# Altium PCB CHAHARDOLI-7 ADAD METAL.PcbDoc (part 6 of 11) (continued)
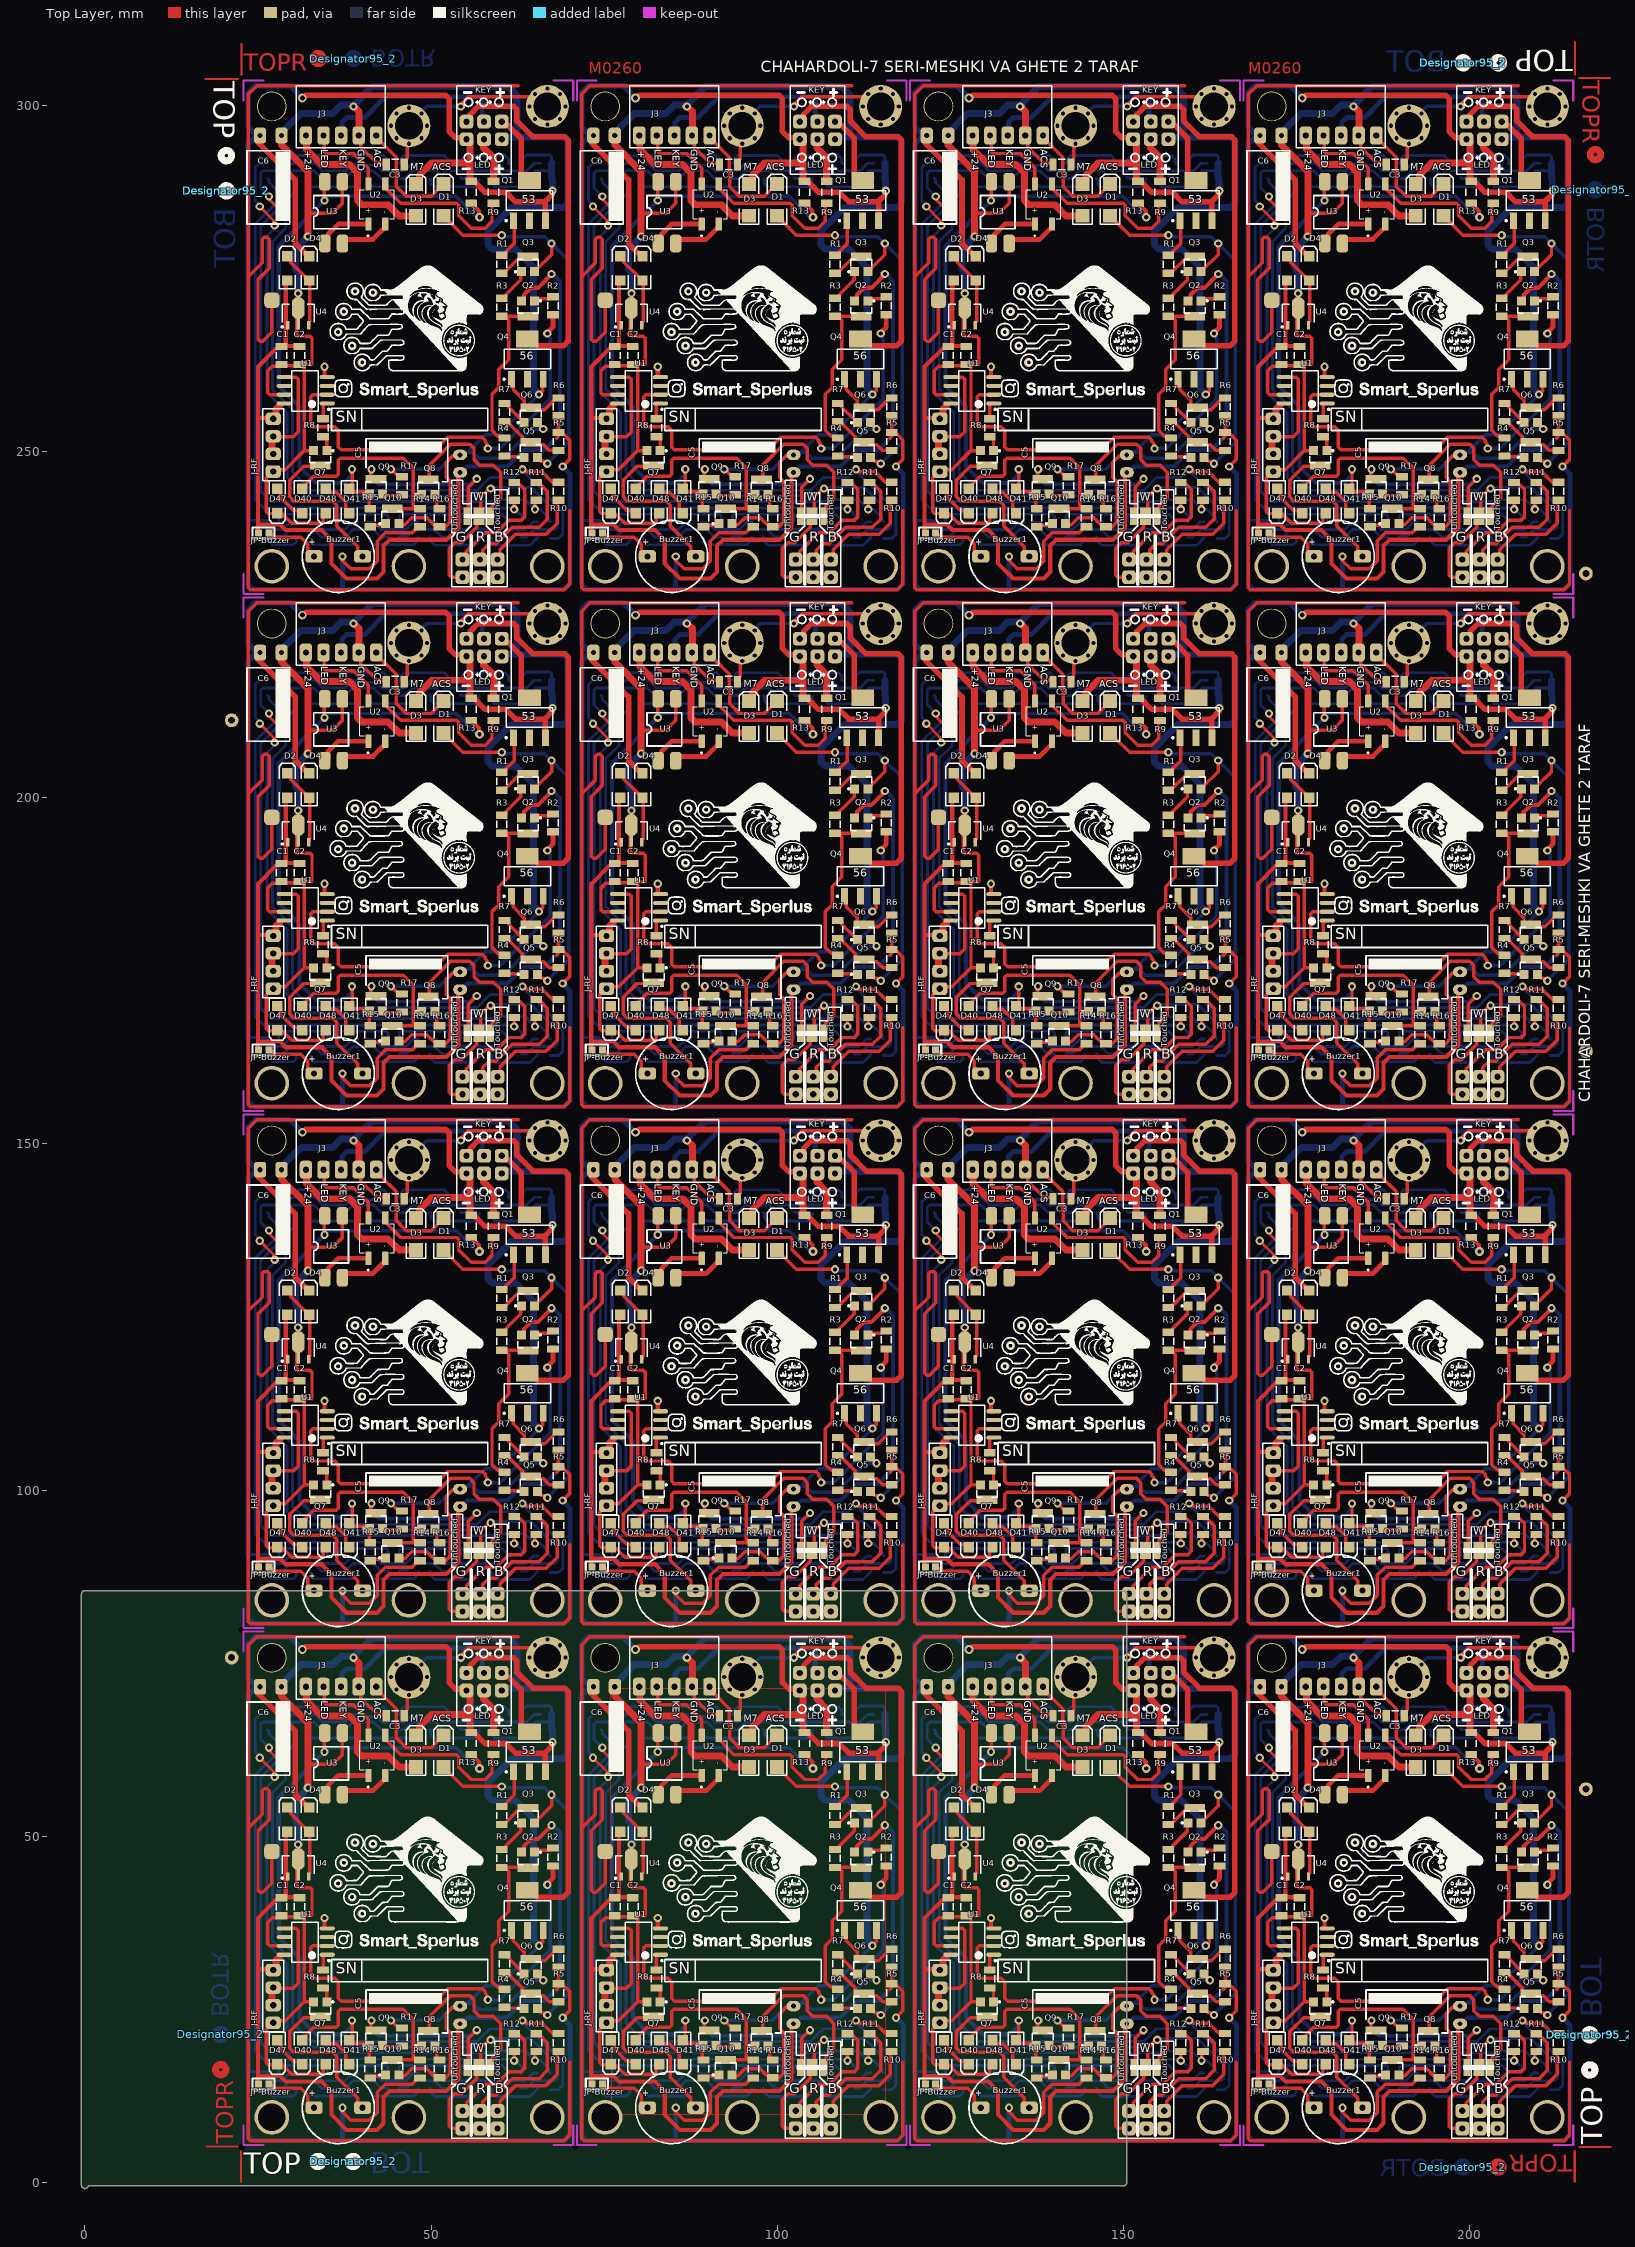
[diagram p0: Top Layer view]
## Nets (pads, with @x,y where several pads share a name; then routed paths per layer and width w, separated by ;. In a path a pad name is that pad's centre, name@x,y a point inside that pad or via, vN(x,y) a via of type N, cw(c..) or ccw(c..) an arc to the next point about the centre after c; other vN are vias at no path point) (continued)
 75.145,122.488 ; 71.745,200.576 73.745,202.576 73.745,205.976 74.038,206.269 74.452,206.269 74.745,205.976 74.745,204.776 74.745,201.776 73.145,200.176 73.145,191.576 73.438,191.283 73.852,191.283 75.145,192.576 75.145,197.176 ; 71.745,275.264 73.745,277.264 73.745,280.664 74.038,280.957 74.452,280.957 74.745,280.664 74.745,279.464 74.745,276.464 73.145,274.864 73.145,266.264 73.438,265.971 73.852,265.971 75.145,267.264 75.145,271.864 ; 75.145,14 75.545,13.6 79.345,13.6 80.345,12.6 80.345,11.743 80.369,11.719 80.369,11.435 81.003,10.8 81.245,10.8 ; 75.145,88.688 75.545,88.288 79.345,88.288 80.345,87.288 80.345,86.431 80.369,86.408 80.369,86.123 81.003,85.488 81.245,85.488 ; 75.145,163.376 75.545,162.976 79.345,162.976 80.345,161.976 80.345,161.119 80.369,161.096 80.369,160.811 81.003,160.176 81.245,160.176 ; 75.145,238.064 75.545,237.664 79.345,237.664 80.345,236.664 80.345,235.807 80.369,235.784 80.369,235.499 81.003,234.864 81.245,234.864 ; 75.345,28.08 78.225,28.08 78.945,28.8 78.945,36.393 78.652,36.686 76.972,36.686 ; 75.345,102.768 78.225,102.768 78.945,103.488 78.945,111.081 78.652,111.374 76.972,111.374 ; 75.345,177.456 78.225,177.456 78.945,178.176 78.945,185.769 78.652,186.062 76.972,186.062 ; 75.345,252.144 78.225,252.144 78.945,252.864 78.945,260.457 78.652,260.75 76.972,260.75 ; 75.945,20.55 76.445,20.05 76.445,19.3 78.34,17.405 79.19,17.405 79.545,17.05 ; 75.945,95.238 76.445,94.738 76.445,93.988 78.34,92.093 79.19,92.093 79.545,91.738 ; 75.945,169.926 76.445,169.426 76.445,168.676 78.34,166.782 79.19,166.782 79.545,166.426 ; 75.945,244.614 76.445,244.114 76.445,243.364 78.34,241.47 79.19,241.47 79.545,241.114 ; 76.42,16.925 76.345,17 74.638,17 74.345,17.293 74.345,22.152 75.522,23.329 77.074,23.329 79.845,26.1 ; 76.42,91.613 76.345,91.688 74.638,91.688 74.345,91.981 74.345,96.84 75.522,98.017 77.074,98.017 79.845,100.788 ; 76.42,166.301 76.345,166.376 74.638,166.376 74.345,166.669 74.345,171.528 75.522,172.705 77.074,172.705 79.845,175.476 ; 76.42,240.989 76.345,241.064 74.638,241.064 74.345,241.357 74.345,246.216 75.522,247.393 77.074,247.393 79.845,250.164 ; 76.545,17.05 77.995,15.6 82.249,15.6 82.542,15.893 82.542,16.777 82.945,17.181 ; 76.545,91.738 77.995,90.288 82.249,90.288 82.542,90.581 82.542,91.465 82.945,91.869 ; 76.545,166.426 77.995,164.976 82.249,164.976 82.542,165.269 82.542,166.154 82.945,166.557 ; 76.545,241.114 77.995,239.664 82.249,239.664 82.542,239.957 82.542,240.842 82.945,241.245 ; 77.091,38.309 76.87,38.53 76.545,38.53 76.27,38.255 75.2,38.255 74.545,37.6 74.545,34.458 74.838,34.165 77.511,34.165 ; 77.091,112.997 76.87,113.218 76.545,113.218 76.27,112.943 75.2,112.943 74.545,112.288 74.545,109.146 74.838,108.853 77.51,108.853 ; 77.091,187.685 76.87,187.906 76.545,187.906 76.27,187.631 75.2,187.631 74.545,186.976 74.545,183.834 74.838,183.541 77.51,183.541 ; 77.091,262.373 76.87,262.594 76.545,262.594 76.27,262.319 75.2,262.319 74.545,261.664 74.545,258.522 74.838,258.229 77.51,258.229 ; 77.145,38.362 79.145,38.362 ; 77.145,113.051 79.145,113.051 ; 77.145,187.739 79.145,187.739 ; 77.145,262.427 79.145,262.427 ; 77.345,54.15 77.845,53.65 77.845,53.3 80.045,51.1 80.045,51.15 80.545,50.65 ; 77.345,128.838 77.845,128.338 77.845,127.988 80.045,125.788 80.045,125.838 80.545,125.338 ; 77.345,203.526 77.845,203.026 77.845,202.676 80.045,200.476 80.045,200.526 80.545,200.026 ; 77.345,278.214 77.845,277.714 77.845,277.364 80.045,275.164 80.045,275.214 80.545,274.714 ; 78.745,46.7 78.745,42.893 79.038,42.6 80.652,42.6 80.945,42.307 80.945,38.53 79.845,38.53 ; 78.745,121.388 78.745,117.581 79.038,117.288 80.652,117.288 80.945,116.995 80.945,113.218 79.845,113.218 ; 78.745,196.076 78.745,192.269 79.038,191.976 80.652,191.976 80.945,191.683 80.945,187.906 79.845,187.906 ; 78.745,270.764 78.745,266.957 79.038,266.664 80.652,266.664 80.945,266.371 80.945,262.594 79.845,262.594 ; 78.945,121.388 v1(78.945,123.488) ; 78.945,196.076 v1(78.945,198.176) ; 78.945,270.764 v1(78.945,272.864) ; 78.945,46.7 v1(78.945,48.8) ; 79.145,38.53 79.845,38.53 ; 79.145,113.218 79.845,113.218 ; 79.145,187.906 79.845,187.906 ; 79.145,262.594 79.845,262.594 ; 79.545,20.55 80.045,21.05 80.045,21.25 81.195,22.4 84.452,22.4 84.745,22.693 84.745,24.707 85.038,25 94.145,25 95.545,23.6 95.545,19.8 ; 79.545,95.238 80.045,95.738 80.045,95.938 81.195,97.088 84.452,97.088 84.745,97.381 84.745,99.395 85.038,99.688 94.145,99.688 95.545,98.288 95.545,94.488 ; 79.545,169.926 80.045,170.426 80.045,170.626 81.195,171.776 84.452,171.776 84.745,172.069 84.745,174.083 85.038,174.376 94.145,174.376 95.545,172.976 95.545,169.176 ; 79.545,244.614 80.045,245.114 80.045,245.314 81.195,246.464 84.452,246.464 84.745,246.757 84.745,248.771 85.038,249.064 94.145,249.064 95.545,247.664 95.545,243.864 ; 80.345,60.4 83.945,60.4 85.345,61.8 85.345,64.92 ; 80.345,135.088 83.945,135.088 85.345,136.488 85.345,139.608 ; 80.345,209.776 83.945,209.776 85.345,211.176 85.345,214.296 ; 80.345,284.464 83.945,284.464 85.345,285.864 85.345,288.984 ; 80.445,44.2 80.445,44.55 80.642,44.746 80.642,50.154 80.545,50.25 ; 80.445,118.888 80.445,119.238 80.642,119.435 80.642,124.842 80.545,124.938 ; 80.445,193.576 80.445,193.926 80.642,194.123 80.642,199.53 80.545,199.626 ; 80.445,268.264 80.445,268.614 80.642,268.811 80.642,274.218 80.545,274.314 ; 81.195,26.075 79.845,26.075 79.845,38.53 ; 81.195,100.763 79.845,100.763 79.845,113.218 ; 81.195,175.451 79.845,175.451 79.845,187.906 ; 81.195,250.139 79.845,250.139 79.845,262.594 ; 82.145,23.8 79.745,23.8 77.745,21.8 77.745,19.4 78.345,18.8 83.945,18.8 84.545,18.2 84.545,15.2 87.545,12.2 87.545,11.435 88.18,10.8 88.245,10.8 ; 82.145,98.488 79.745,98.488 77.745,96.488 77.745,94.088 78.345,93.488 83.945,93.488 84.545,92.888 84.545,89.888 87.545,86.888 87.545,86.123 88.18,85.488 88.245,85.488 ; 82.145,173.176 79.745,173.176 77.745,171.176 77.745,168.776 78.345,168.176 83.945,168.176 84.545,167.576 84.545,164.576 87.545,161.576 87.545,160.811 88.18,160.176 88.245,160.176 ; 82.145,247.864 79.745,247.864 77.745,245.864 77.745,243.464 78.345,242.864 83.945,242.864 84.545,242.264 84.545,239.264 87.545,236.264 87.545,235.499 88.18,234.864 88.245,234.864 ; 82.545,28.099 82.82,28.099 83.095,27.824 83.095,26.075 ; 82.545,30.695 82.545,32.849 82.591,32.895 83.145,32.895 ; 82.545,102.788 82.82,102.788 83.095,102.513 83.095,100.763 ; 82.545,105.384 82.545,107.537 82.591,107.583 83.145,107.583 ; 82.545,177.476 82.82,177.476 83.095,177.201 83.095,175.451 ; 82.545,180.072 82.545,182.225 82.591,182.271 83.145,182.271 ; 82.545,252.164 82.82,252.164 83.095,251.889 83.095,250.139 ; 82.545,254.76 82.545,256.913 82.591,256.959 83.145,256.959 ; 82.605,71.6 82.745,71.46 82.745,69.293 83.038,69 86.945,69 89.081,66.864 89.081,64.331 ; 82.605,146.288 82.745,146.148 82.745,143.981 83.038,143.688 86.945,143.688 89.081,141.553 89.081,139.02 ; 82.605,220.976 82.745,220.836 82.745,218.669 83.038,218.376 86.945,218.376 89.081,216.241 89.081,213.708 ; 82.605,295.664 82.745,295.524 82.745,293.357 83.038,293.064 86.945,293.064 89.081,290.929 89.081,288.396 ; 82.645,20.05 84.426,20.05 85.845,18.631 85.845,17.55 86.345,17.05 ; 82.645,94.738 84.426,94.738 85.845,93.319 85.845,92.238 86.345,91.738 ; 82.645,169.426 84.426,169.426 85.845,168.007 85.845,166.926 86.345,166.426 ; 82.645,244.114 84.426,244.114 85.845,242.695 85.845,241.614 86.345,241.114 ; v1(82.745,62.2) 82.745,64.86 82.805,64.92 ; v1(82.745,136.888) 82.745,139.548 82.805,139.608 ; v1(82.745,211.576) 82.745,214.236 82.805,214.296 ; v1(82.745,286.264) 82.745,288.924 82.805,288.984 ; 83.145,34.165 81.038,34.165 80.745,33.872 80.745,29.893 81.118,29.52 84.225,29.52 84.745,29 84.745,26.6 85.145,26.2 98.725,26.2 100.525,28 105.545,28 105.967,27.578 105.967,27.367 106.211,27.123 106.211,26.534 v1(106.345,26.4) ; 83.145,108.853 81.038,108.853 80.745,108.56 80.745,104.581 81.118,104.209 84.225,104.209 84.745,103.688 84.745,101.288 85.145,100.888 98.725,100.888 100.525,102.688 105.545,102.688 105.967,102.266 105.967,102.055 106.211,101.811 106.211,101.222 v1(106.345,101.088) ; 83.145,183.541 81.038,183.541 80.745,183.248 80.745,179.269 81.118,178.897 84.225,178.897 84.745,178.376 84.745,175.976 85.145,175.576 98.725,175.576 100.525,177.376 105.545,177.376 105.967,176.954 105.967,176.743 106.211,176.5 106.211,175.91 v1(106.345,175.776) ; 83.145,258.229 81.038,258.229 80.745,257.936 80.745,253.957 81.118,253.585 84.225,253.585 84.745,253.064 84.745,250.664 85.145,250.264 98.725,250.264 100.525,252.064 105.545,252.064 105.967,251.642 105.967,251.432 106.211,251.188 106.211,250.598 v1(106.345,250.464) ; v1(85.345,10.8) 85.345,10.2 86.545,9 89.251,9 90.345,10.094 90.345,13 91.545,14.2 95.452,14.2 95.945,14.693 95.945,14.824 96.22,15.099 96.545,15.099 ; v1(85.345,85.488) 85.345,84.888 86.545,83.688 89.251,83.688 90.345,84.782 90.345,87.688 91.545,88.888 95.452,88.888 95.945,89.381 95.945,89.513 96.22,89.788 96.545,89.788 ; v1(85.345,160.176) 85.345,159.576 86.545,158.376 89.251,158.376 90.345,159.471 90.345,162.376 91.545,163.576 95.452,163.576 95.945,164.069 95.945,164.201 96.22,164.476 96.545,164.476 ; v1(85.345,234.864) 85.345,234.264 86.545,233.064 89.251,233.064 90.345,234.159 90.345,237.064 91.545,238.264 95.452,238.264 95.945,238.757 95.945,238.889 96.22,239.164 96.545,239.164 ; 86.345,20.55 86.733,20.937 v1(86.733,23.387) ; 86.345,95.238 86.733,95.626 v1(86.733,98.076) ; 86.345,169.926 86.733,170.314 v1(86.733,172.764) ; 86.345,244.614 86.733,245.002 v1(86.733,247.452) ; 86.72,20.45 87.045,20.125 88.845,20.125 89.195,19.775 89.195,17.845 89.345,17.695 ; 86.72,95.138 87.045,94.813 88.845,94.813 89.195,94.463 89.195,92.534 89.345,92.384 ; 86.72,169.826 87.045,169.501 88.845,169.501 89.195,169.151 89.195,167.222 89.345,167.072 ; 86.72,244.514 87.045,244.189 88.845,244.189 89.195,243.839 89.195,241.91 89.345,241.76 ; 87.714,71.171 88.014,70.871 88.014,69.931 90.345,67.6 91.698,67.6 ; 87.714,145.86 88.014,145.56 88.014,144.62 90.345,142.288 91.698,142.288 ; 87.714,220.548 88.014,220.248 88.014,219.308 90.345,216.976 91.698,216.976 ; 87.714,295.236 88.014,294.936 88.014,293.996 90.345,291.664 91.697,291.664 ; 89.038,15.307 91.377,15.307 91.595,15.525 ; 89.038,89.995 91.377,89.995 91.595,90.213 ; 89.038,164.683 91.377,164.683 91.595,164.901 ; 89.038,239.371 91.377,239.371 91.595,239.589 ; v1(89.545,23.4) 89.443,23.298 89.443,22.3 89.793,21.95 90.195,21.95 ; v1(89.545,98.088) 89.443,97.986 89.443,96.988 89.793,96.638 90.195,96.638 ; v1(89.545,172.776) 89.443,172.674 89.443,171.676 89.793,171.326 90.195,171.326 ; v1(89.545,247.464) 89.443,247.362 89.443,246.364 89.793,246.014 90.195,246.014 ; 89.825,71.308 90.46,70.673 90.872,70.673 93.096,68.449 93.096,66.049 93.145,66 93.145,64.2 94.545,62.8 98.145,62.8 99.945,64.6 ; 89.825,145.996 90.46,145.362 90.872,145.362 93.096,143.137 93.096,140.737 93.145,140.688 93.145,138.888 94.545,137.488 98.145,137.488 99.945,139.288 ; 89.825,220.684 90.46,220.05 90.872,220.05 93.096,217.825 93.096,215.425 93.145,215.376 93.145,213.576 94.545,212.176 98.145,212.176 99.945,213.976 ; 89.825,295.373 90.46,294.738 90.872,294.738 93.096,292.513 93.096,290.113 93.145,290.064 93.145,288.264 94.545,286.864 98.145,286.864 99.945,288.664 ; 91.345,19.6 94.084,19.6 ; 91.345,94.288 94.084,94.288 ; 91.345,168.976 94.084,168.976 ; 91.345,243.664 94.084,243.664 ; 91.545,64.6 91.75,64.395 91.75,63.795 93.745,61.8 101.852,61.8 102.145,61.507 102.145,60 103.945,58.2 105.945,58.2 106.945,59.2 106.945,61.8 ; 91.545,139.288 91.75,139.083 91.75,138.483 93.745,136.488 101.852,136.488 102.145,136.195 102.145,134.688 103.945,132.888 105.945,132.888 106.945,133.888 106.945,136.488 ; 91.545,213.976 91.75,213.771 91.75,213.171 93.745,211.176 101.852,211.176 102.145,210.883 102.145,209.376 103.945,207.576 105.945,207.576 106.945,208.576 106.945,211.176 ; 91.545,288.664 91.75,288.459 91.75,287.859 93.745,285.864 101.852,285.864 102.145,285.571 102.145,284.064 103.945,282.264 105.945,282.264 106.945,283.264 106.945,285.864 ; 92.194,17.6 91.945,17.6 91.97,17.625 92.418,17.625 92.488,17.695 96.545,17.695 ; 92.194,92.288 91.945,92.288 91.97,92.313 92.418,92.313 92.488,92.384 96.545,92.384 ; 92.194,166.976 91.945,166.976 91.97,167.001 92.418,167.001 92.488,167.072 96.545,167.072 ; 92.194,241.664 91.945,241.664 91.97,241.689 92.418,241.689 92.488,241.76 96.545,241.76 ; v1(92.345,23.4) 92.355,23.4 93.185,22.57 93.345,22.57 93.45,22.465 93.45,22.305 ; v1(92.345,98.088) 92.355,98.088 93.185,97.259 93.345,97.259 93.45,97.154 93.45,96.993 ; v1(92.345,172.776) 92.355,172.776 93.185,171.947 93.345,171.947 93.45,171.842 93.45,171.681 ; v1(92.345,247.464) 92.355,247.464 93.185,246.635 93.345,246.635 93.45,246.53 93.45,246.369 ; 93.345,15.8 93.495,15.65 93.495,15.525 ; 93.345,90.488 93.495,90.338 93.495,90.213 ; 93.345,165.176 93.495,165.026 93.495,164.901 ; 93.345,239.864 93.495,239.714 93.495,239.589 ; 93.645,15.375 94.32,15.375 95.345,16.4 97.545,16.4 98.566,15.38 99.07,15.38 99.345,15.105 100.25,15.105 100.945,15.8 100.945,21.6 100.345,22.2 100.345,24.4 101.219,25.274 101.749,25.274 101.945,25.47 ; 93.645,90.063 94.32,90.063 95.345,91.088 97.545,91.088 98.566,90.068 99.07,90.068 99.345,89.793 100.25,89.793 100.945,90.488 100.945,96.288 100.345,96.888 100.345,99.088 101.219,99.962 101.749,99.962 101.945,100.158 ; 93.645,164.751 94.32,164.751 95.345,165.776 97.545,165.776 98.565,164.756 99.07,164.756 99.345,164.481 100.25,164.481 100.945,165.176 100.945,170.976 100.345,171.576 100.345,173.776 101.219,174.65 101.749,174.65 101.945,174.846 ; 93.645,239.439 94.32,239.439 95.345,240.464 97.545,240.464 98.565,239.444 99.07,239.444 99.345,239.169 100.25,239.169 100.945,239.864 100.945,245.664 100.345,246.264 100.345,248.464 101.219,249.338 101.749,249.338 101.945,249.534 ; 94.271,67.174 94.546,67.449 94.546,68.151 94.688,68.293 94.688,70.343 94.745,70.4 94.745,73 ; 94.271,141.862 94.546,142.137 94.546,142.839 94.688,142.981 94.688,145.031 94.745,145.088 94.745,147.688 ; 94.271,216.55 94.546,216.825 94.546,217.528 94.688,217.669 94.688,219.719 94.745,219.776 94.745,222.376 ; 94.271,291.239 94.546,291.514 94.546,292.216 94.688,292.357 94.688,294.407 94.745,294.464 94.745,297.064 ; 95.545,18 95.545,19.8 ; 95.545,92.688 95.545,94.488 ; 95.545,167.376 95.545,169.176 ; 95.545,242.064 95.545,243.864 ; 96.795,19.725 96.72,19.8 95.545,19.8 ; 96.795,94.413 96.72,94.488 95.545,94.488 ; 96.795,169.101 96.72,169.176 95.545,169.176 ; 96.795,243.789 96.72,243.864 95.545,243.864 ; 97.545,21.8 97.877,22.132 97.877,23.932 100.945,27 103.745,27 104.345,26.4 104.345,24.8 105.145,24 107.145,24 108.195,22.95 108.195,19.25 106.995,18.05 106.995,17.45 106.945,17.4 106.945,16.2 ; 97.545,96.488 97.877,96.82 97.877,98.62 100.945,101.688 103.745,101.688 104.345,101.088 104.345,99.488 105.145,98.688 107.145,98.688 108.195,97.638 108.195,93.938 106.995,92.738 106.995,92.138 106.945,92.088 106.945,90.888 ; 97.545,171.176 97.877,171.508 97.877,173.308 100.945,176.376 103.745,176.376 104.345,175.776 104.345,174.176 105.145,173.376 107.145,173.376 108.195,172.326 108.195,168.626 106.995,167.426 106.995,166.826 106.945,166.776 106.945,165.576 ; 97.545,245.864 97.877,246.196 97.877,247.996 100.945,251.064 103.745,251.064 104.345,250.464 104.345,248.864 105.145,248.064 107.145,248.064 108.195,247.014 108.195,243.314 106.995,242.114 106.995,241.514 106.945,241.464 106.945,240.264 ; 98.695,19.725 98.945,19.475 98.945,17.976 99.22,17.701 99.345,17.701 ; 98.695,94.413 98.945,94.163 98.945,92.664 99.22,92.389 99.345,92.389 ; 98.695,169.101 98.945,168.851 98.945,167.352 99.22,167.077 99.345,167.077 ; 98.695,243.789 98.945,243.539 98.945,242.04 99.22,241.765 99.345,241.765 ; 99.945,60 100.195,59.75 100.195,59.25 100.695,59.25 102.745,57.2 v1(108.345,57.2) ; 99.945,134.688 100.195,134.438 100.195,133.938 100.695,133.938 102.745,131.888 v1(108.345,131.888) ; 99.945,209.376 100.195,209.126 100.195,208.626 100.695,208.626 102.745,206.576 v1(108.345,206.576) ; 99.945,284.064 100.195,283.814 100.195,283.314 100.695,283.314 102.745,281.264 v1(108.345,281.264) ; v1@102.255,75.904 102.613,76.262 102.613,76.267 103.545,77.2 112.745,77.2 ; v1@102.255,150.592 102.613,150.95 102.613,150.956 103.545,151.888 112.745,151.888 ; v1@102.255,225.28 102.613,225.638 102.613,225.644 103.545,226.576 112.745,226.576 ; v1@102.255,299.969 102.613,300.326 102.613,300.332 103.545,301.264 112.745,301.264 ; 102.665,10.34 103.259,10.934 103.259,11.514 105.945,14.2 107.545,14.2 109.345,16 111.145,16 111.645,16.5 111.645,20.5 110.915,21.23 110.011,21.23 109.745,21.495 ; 102.665,85.028 103.259,85.622 103.259,86.202 105.945,88.888 107.545,88.888 109.345,90.688 111.145,90.688 111.645,91.188 111.645,95.188 110.915,95.918 110.011,95.918 109.745,96.184 ; 102.665,159.716 103.259,160.31 103.259,160.89 105.945,163.576 107.545,163.576 109.345,165.376 111.145,165.376 111.645,165.876 111.645,169.876 110.915,170.606 110.011,170.606 109.745,170.872 ; 102.665,234.404 103.259,234.998 103.259,235.578 105.945,238.264 107.545,238.264 109.345,240.064 111.145,240.064 111.645,240.564 111.645,244.564 110.915,245.294 110.011,245.294 109.745,245.56 ; 103.545,15.705 103.545,20.8 v1(104.745,22) ; 103.545,90.393 103.545,95.488 v1(104.745,96.688) ; 103.545,165.081 103.545,170.176 v1(104.745,171.376) ; 103.545,239.769 103.545,244.864 v1(104.745,246.064) ; 105.205,10.34 105.629,10.764 105.629,11.684 106.545,12.6 107.465,12.6 109.865,15 113.745,15 114.945,16.2 114.945,20.2 113.945,21.2 113.945,21.22 113.766,21.4 113.216,21.4 ; 105.205,85.028 105.629,85.452 105.629,86.372 106.545,87.288 107.465,87.288 109.865,89.688 113.745,89.688 114.945,90.888 114.945,94.888 113.945,95.888 113.945,95.909 113.766,96.088 113.216,96.088 ; 105.205,159.716 105.629,160.14 105.629,161.06 106.545,161.976 107.465,161.976 109.865,164.376 113.745,164.376 114.945,165.576 114.945,169.576 113.945,170.576 113.945,170.597 113.765,170.776 113.216,170.776 ; 105.205,234.404 105.629,234.828 105.629,235.748 106.545,236.664 107.465,236.664 109.865,239.064 113.745,239.064 114.945,240.264 114.945,244.264 113.945,245.264 113.945,245.285 113.765,245.464 113.216,245.464 ; 105.245,15.8 104.965,15.8 104.765,15.6 104.765,15.02 102.545,12.8 101.545,12.8 100.745,12 100.745,8.093 101.038,7.8 102.665,7.8 105.205,7.8 107.745,7.8 ; 105.245,17.4 105.245,17.5 105.345,17.6 105.345,19.4 106.545,20.6 v1(106.745,20.6) ; 105.245,90.488 104.965,90.488 104.765,90.288 104.765,89.708 102.545,87.488 101.545,87.488 100.745,86.688 100.745,82.781 101.038,82.488 102.665,82.488 105.205,82.488 107.745,82.488 ; 105.245,92.088 105.245,92.188 105.345,92.288 105.345,94.088 106.545,95.288 v1(106.745,95.288) ; 105.245,165.176 104.965,165.176 104.765,164.976 104.765,164.396 102.545,162.176 101.545,162.176 100.745,161.376 100.745,157.469 101.038,157.176 102.665,157.176 105.205,157.176 107.745,157.176 ; 105.245,166.776 105.245,166.876 105.345,166.976 105.345,168.776 106.545,169.976 v1(106.745,169.976) ; 105.245,239.864 104.965,239.864 104.765,239.664 104.765,239.084 102.545,236.864 101.545,236.864 100.745,236.064 100.745,232.157 101.038,231.864 102.665,231.864 105.205,231.864 107.745,231.864 ; 105.245,241.464 105.245,241.564 105.345,241.664 105.345,243.464 106.545,244.664 v1(106.745,244.664) ; 107.745,10.34 108.099,10.694 108.099,11.754 110.345,14 114.745,14 116.345,15.6 116.345,18.705 116.545,18.905 ; 107.745,85.028 108.099,85.382 108.099,86.442 110.345,88.688 114.745,88.688 116.345,90.288 116.345,93.393 116.545,93.593 ; 107.745,159.716 108.099,160.07 108.099,161.13 110.345,163.376 114.745,163.376 116.345,164.976 116.345,168.081 116.545,168.281 ; 107.745,234.404 108.099,234.758 108.099,235.818 110.345,238.064 114.745,238.064 116.345,239.664 116.345,242.769 116.545,242.969 ; 108.3,25.2 111.12,25.2 111.195,25.125 111.595,25.125 ; 108.3,99.888 111.12,99.888 111.195,99.813 111.595,99.813 ; 108.3,174.576 111.12,174.576 111.195,174.501 111.595,174.501 ; 108.3,249.264 111.12,249.264 111.195,249.189 111.595,249.189 ; 108.345,48.101 108.67,48.101 108.945,48.376 108.945,48.6 111.113,50.768 111.113,51.843 111.195,51.925 ; 108.345,122.789 108.67,122.789 108.945,123.064 108.945,123.288 111.113,125.456 111.113,126.531 111.195,126.613 ; 108.345,197.477 108.67,197.477 108.945,197.752 108.945,197.976 111.113,200.144 111.113,201.219 111.195,201.301 ; 108.345,272.165 108.67,272.165 108.945,272.44 108.945,272.664 111.113,274.832 111.113,275.907 111.195,275.989 ; 108.376,54.23 108.6,54.23 108.945,54.576 108.945,54.8 110.145,56 110.145,59 ; 108.376,128.919 108.6,128.919 108.945,129.264 108.945,129.488 110.145,130.688 110.145,133.688 ; 108.376,203.607 108.6,203.607 108.945,203.952 108.945,204.176 110.145,205.376 110.145,208.376 ; 108.376,278.295 108.6,278.295 108.945,278.64 108.945,278.864 110.145,280.064 110.145,283.064 ; 108.545,32.8 109.171,32.8 109.345,32.626 109.345,32.375 111.345,30.375 111.595,30.125 ; 108.545,107.488 109.171,107.488 109.345,107.314 109.345,107.063 111.345,105.063 111.595,104.813 ; 108.545,182.176 109.171,182.176 109.345,182.002 109.345,181.751 111.345,179.751 111.595,179.501 ; 108.545,256.864 109.171,256.864 109.345,256.69 109.345,256.439 111.345,254.439 111.595,254.189 ; 108.733,51.768 108.945,51.98 110.691,53.725 110.895,53.725 110.895,54.125 ; 108.733,126.456 108.945,126.668 110.691,128.413 110.895,128.413 110.895,128.813 ; 108.733,201.144 108.945,201.356 110.69,203.101 110.895,203.101 110.895,203.501 ; 108.733,275.832 108.945,276.044 110.69,277.789 110.895,277.789 110.895,278.189 ; 108.762,28 108.592,28.17 107.775,28.17 106.945,29 106.945,34.2 107.945,35.2 107.945,37.8 109.345,39.2 109.345,44.937 109.052,45.23 108.945,45.23 108.87,45.305 108.87,45.505 113.214,45.505 ; 108.762,102.688 108.592,102.859 107.775,102.859 106.945,103.688 106.945,108.888 107.945,109.888 107.945,112.488 109.345,113.888 109.345,119.625 109.052,119.918 108.945,119.918 108.87,119.993 108.87,120.193 113.214,120.193 ; 108.762,177.376 108.592,177.547 107.775,177.547 106.945,178.376 106.945,183.576 107.945,184.576 107.945,187.176 109.345,188.576 109.345,194.313 109.052,194.606 108.945,194.606 108.87,194.681 108.87,194.881 113.214,194.881 ; 108.762,252.064 108.592,252.235 107.775,252.235 106.945,253.064 106.945,258.264 107.945,259.264 107.945,261.864 109.345,263.264 109.345,269.001 109.052,269.294 108.945,269.294 108.87,269.369 108.87,269.569 113.214,269.569 ; 109.175,30.2 109.345,30.03 111.295,28.08 111.295,27.225 111.563,26.957 114.388,26.957 115.238,26.107 116.638,26.107 116.745,26 ; 109.175,104.888 109.345,104.718 111.295,102.768 111.295,101.913 111.563,101.645 114.388,101.645 115.238,100.795 116.638,100.795 116.745,100.688 ; 109.175,179.576 109.345,179.406 111.295,177.456 111.295,176.601 111.563,176.333 114.388,176.333 115.238,175.483 116.638,175.483 116.745,175.376 ; 109.175,254.264 109.345,254.094 111.295,252.144 111.295,251.289 111.563,251.021 114.388,251.021 115.238,250.171 116.638,250.171 116.745,250.064 ; 109.945,35.971 109.995,35.921 109.995,34.911 111.574,33.332 111.574,32.625 112.181,32.018 114.563,32.018 115.945,33.4 115.945,33.426 115.973,33.453 115.999,33.453 ; 109.945,110.659 109.995,110.609 109.995,109.599 111.574,108.02 111.574,107.313 112.181,106.706 114.563,106.706 115.945,108.088 115.945,108.114 115.973,108.141 115.998,108.141 ; 109.945,185.347 109.995,185.297 109.995,184.287 111.574,182.708 111.574,182.001 112.181,181.394 114.563,181.394 115.945,182.776 115.945,182.802 115.973,182.83 115.998,182.83 ; 109.945,260.035 109.995,259.985 109.995,258.975 111.574,257.396 111.574,256.689 112.181,256.082 114.563,256.082 115.945,257.464 115.945,257.49 115.973,257.518 115.998,257.518 ; v1(110.145,17.6) 110.145,18.899 ; v1(110.145,92.288) 110.145,93.588 ; v1(110.145,166.976) 110.145,168.276 ; v1(110.145,241.664) 110.145,242.964 ; 110.745,78.8 72.945,78.8 71.745,77.6 71.745,6.293 72.038,6 117.345,6 118.145,6.8 118.145,8.145 118.145,17.4 ; 110.745,153.488 72.945,153.488 71.745,152.288 71.745,80.981 72.038,80.688 117.345,80.688 118.145,81.488 118.145,82.833 118.145,92.088 ; 110.745,228.176 72.945,228.176 71.745,226.976 71.745,155.669 72.038,155.376 117.345,155.376 118.145,156.176 118.145,157.521 118.145,166.776 ; 110.745,302.864 72.945,302.864 71.745,301.664 71.745,230.357 72.038,230.064 117.345,230.064 118.145,230.864 118.145,232.21 118.145,241.464 ; v1(111.364,23.381) 111.554,23.381 111.935,23 114.177,23 115.711,21.467 115.879,21.467 ; v1(111.364,98.069) 111.554,98.069 111.935,97.688 114.177,97.688 115.711,96.155 115.879,96.155 ; v1(111.364,172.757) 111.554,172.757 111.935,172.376 114.177,172.376 115.711,170.843 115.879,170.843 ; v1(111.364,247.445) 111.554,247.445 111.934,247.064 114.177,247.064 115.711,245.531 115.879,245.531 ; 112.745,76.952 113.497,76.952 113.545,77 ; 112.745,151.64 113.497,151.64 113.545,151.688 ; 112.745,226.328 113.497,226.328 113.545,226.376 ; 112.745,301.016 113.497,301.016 113.545,301.064 ; 112.795,51.825 112.97,51.825 113.22,52.075 113.245,52.075 113.345,52.175 113.345,52.2 115.545,54.4 v1(115.545,56) ; 112.795,126.513 112.97,126.513 113.22,126.763 113.245,126.763 113.345,126.863 113.345,126.888 115.545,129.088 v1(115.545,130.688) ; 112.795,201.201 112.97,201.201 113.22,201.451 113.245,201.451 113.345,201.551 113.345,201.576 115.545,203.776 v1(115.545,205.376) ; 112.795,275.889 112.97,275.889 113.22,276.139 113.245,276.139 113.345,276.239 113.345,276.264 115.545,278.464 v1(115.545,280.064) ; 113.079,18.765 113.145,18.699 v1(113.145,17.6) ; 113.079,93.453 113.145,93.388 v1(113.145,92.288) ; 113.079,168.142 113.145,168.076 v1(113.145,166.976) ; 113.079,242.83 113.145,242.764 v1(113.145,241.664) ; 113.345,47.975 113.37,48 115.12,48 115.42,48.301 115.745,48.301 ; 113.345,122.663 113.37,122.688 115.12,122.688 115.42,122.989 115.745,122.989 ; 113.345,197.351 113.37,197.376 115.119,197.376 115.42,197.677 115.745,197.677 ; 113.345,272.039 113.37,272.064 115.119,272.064 115.42,272.365 115.745,272.365 ; 113.495,25.125 114.086,24.534 114.422,24.534 114.756,24.2 v1(114.945,24.2) ; 113.495,99.813 114.086,99.222 114.422,99.222 114.756,98.888 v1(114.945,98.888) ; 113.495,174.501 114.086,173.91 114.422,173.91 114.756,173.576 v1(114.945,173.576) ; 113.495,249.189 114.086,248.598 114.422,248.598 114.756,248.264 v1(114.945,248.264) ; 113.545,30.2 113.745,30 113.745,29.843 114.345,29.243 v1(114.345,29.2) ; 113.545,104.888 113.745,104.688 113.745,104.531 114.345,103.931 v1(114.345,103.888) ; 113.545,179.576 113.745,179.376 113.745,179.219 114.345,178.619 v1(114.345,178.576) ; 113.545,254.264 113.745,254.064 113.745,253.907 114.345,253.307 v1(114.345,253.264) ; v1(113.745,34.2) 114.288,34.743 114.288,36.343 114.345,36.4 ; v1(113.745,108.888) 114.288,109.431 114.288,111.031 114.345,111.088 ; v1(113.745,183.576) 114.288,184.119 114.288,185.719 114.345,185.776 ; v1(113.745,258.264) 114.288,258.807 114.288,260.407 114.345,260.464 ; 116.307,27.901 116.345,27.939 ; 116.307,102.589 116.345,102.627 ; 116.307,177.277 116.345,177.315 ; 116.307,251.965 116.345,252.003 ; 116.545,28.202 116.545,28.701 116.545,31.105 116.545,31.325 ; 116.545,102.89 116.545,103.389 116.545,105.793 116.545,106.014 ; 116.545,177.578 116.545,178.077 116.545,180.481 116.545,180.702 ; 116.545,252.266 116.545,252.765 116.545,255.169 116.545,255.39 ; 117.139,28.606 117.139,28.431 117.145,28.426 117.32,28.426 118.145,27.6 118.145,24.8 v1(117.145,23.8) ; 117.139,103.294 117.139,103.12 117.145,103.114 117.32,103.114 118.145,102.288 118.145,99.488 v1(117.145,98.488) ; 117.139,177.982 117.139,177.808 117.145,177.802 117.319,177.802 118.145,176.976 118.145,174.176 v1(117.145,173.176) ; 117.139,252.67 117.139,252.496 117.145,252.49 117.319,252.49 118.145,251.664 118.145,248.864 v1(117.145,247.864) ; 119.89,51.2 121.89,53.2 121.89,56.6 122.183,56.893 122.597,56.893 122.89,56.6 122.89,55.4 122.89,52.4 121.29,50.8 121.29,42.2 121.583,41.907 121.997,41.907 123.29,43.2 123.29,47.8 ; 119.89,125.888 121.89,127.888 121.89,131.288 122.183,131.581 122.597,131.581 122.89,131.288 122.89,130.088 122.89,127.088 121.29,125.488 121.29,116.888 121.583,116.595 121.997,116.595 123.29,117.888 123.29,122.488